# Altium PCB JS.Y1813.MCU.V1.0.PcbDoc (part 1 of 2) (continued)
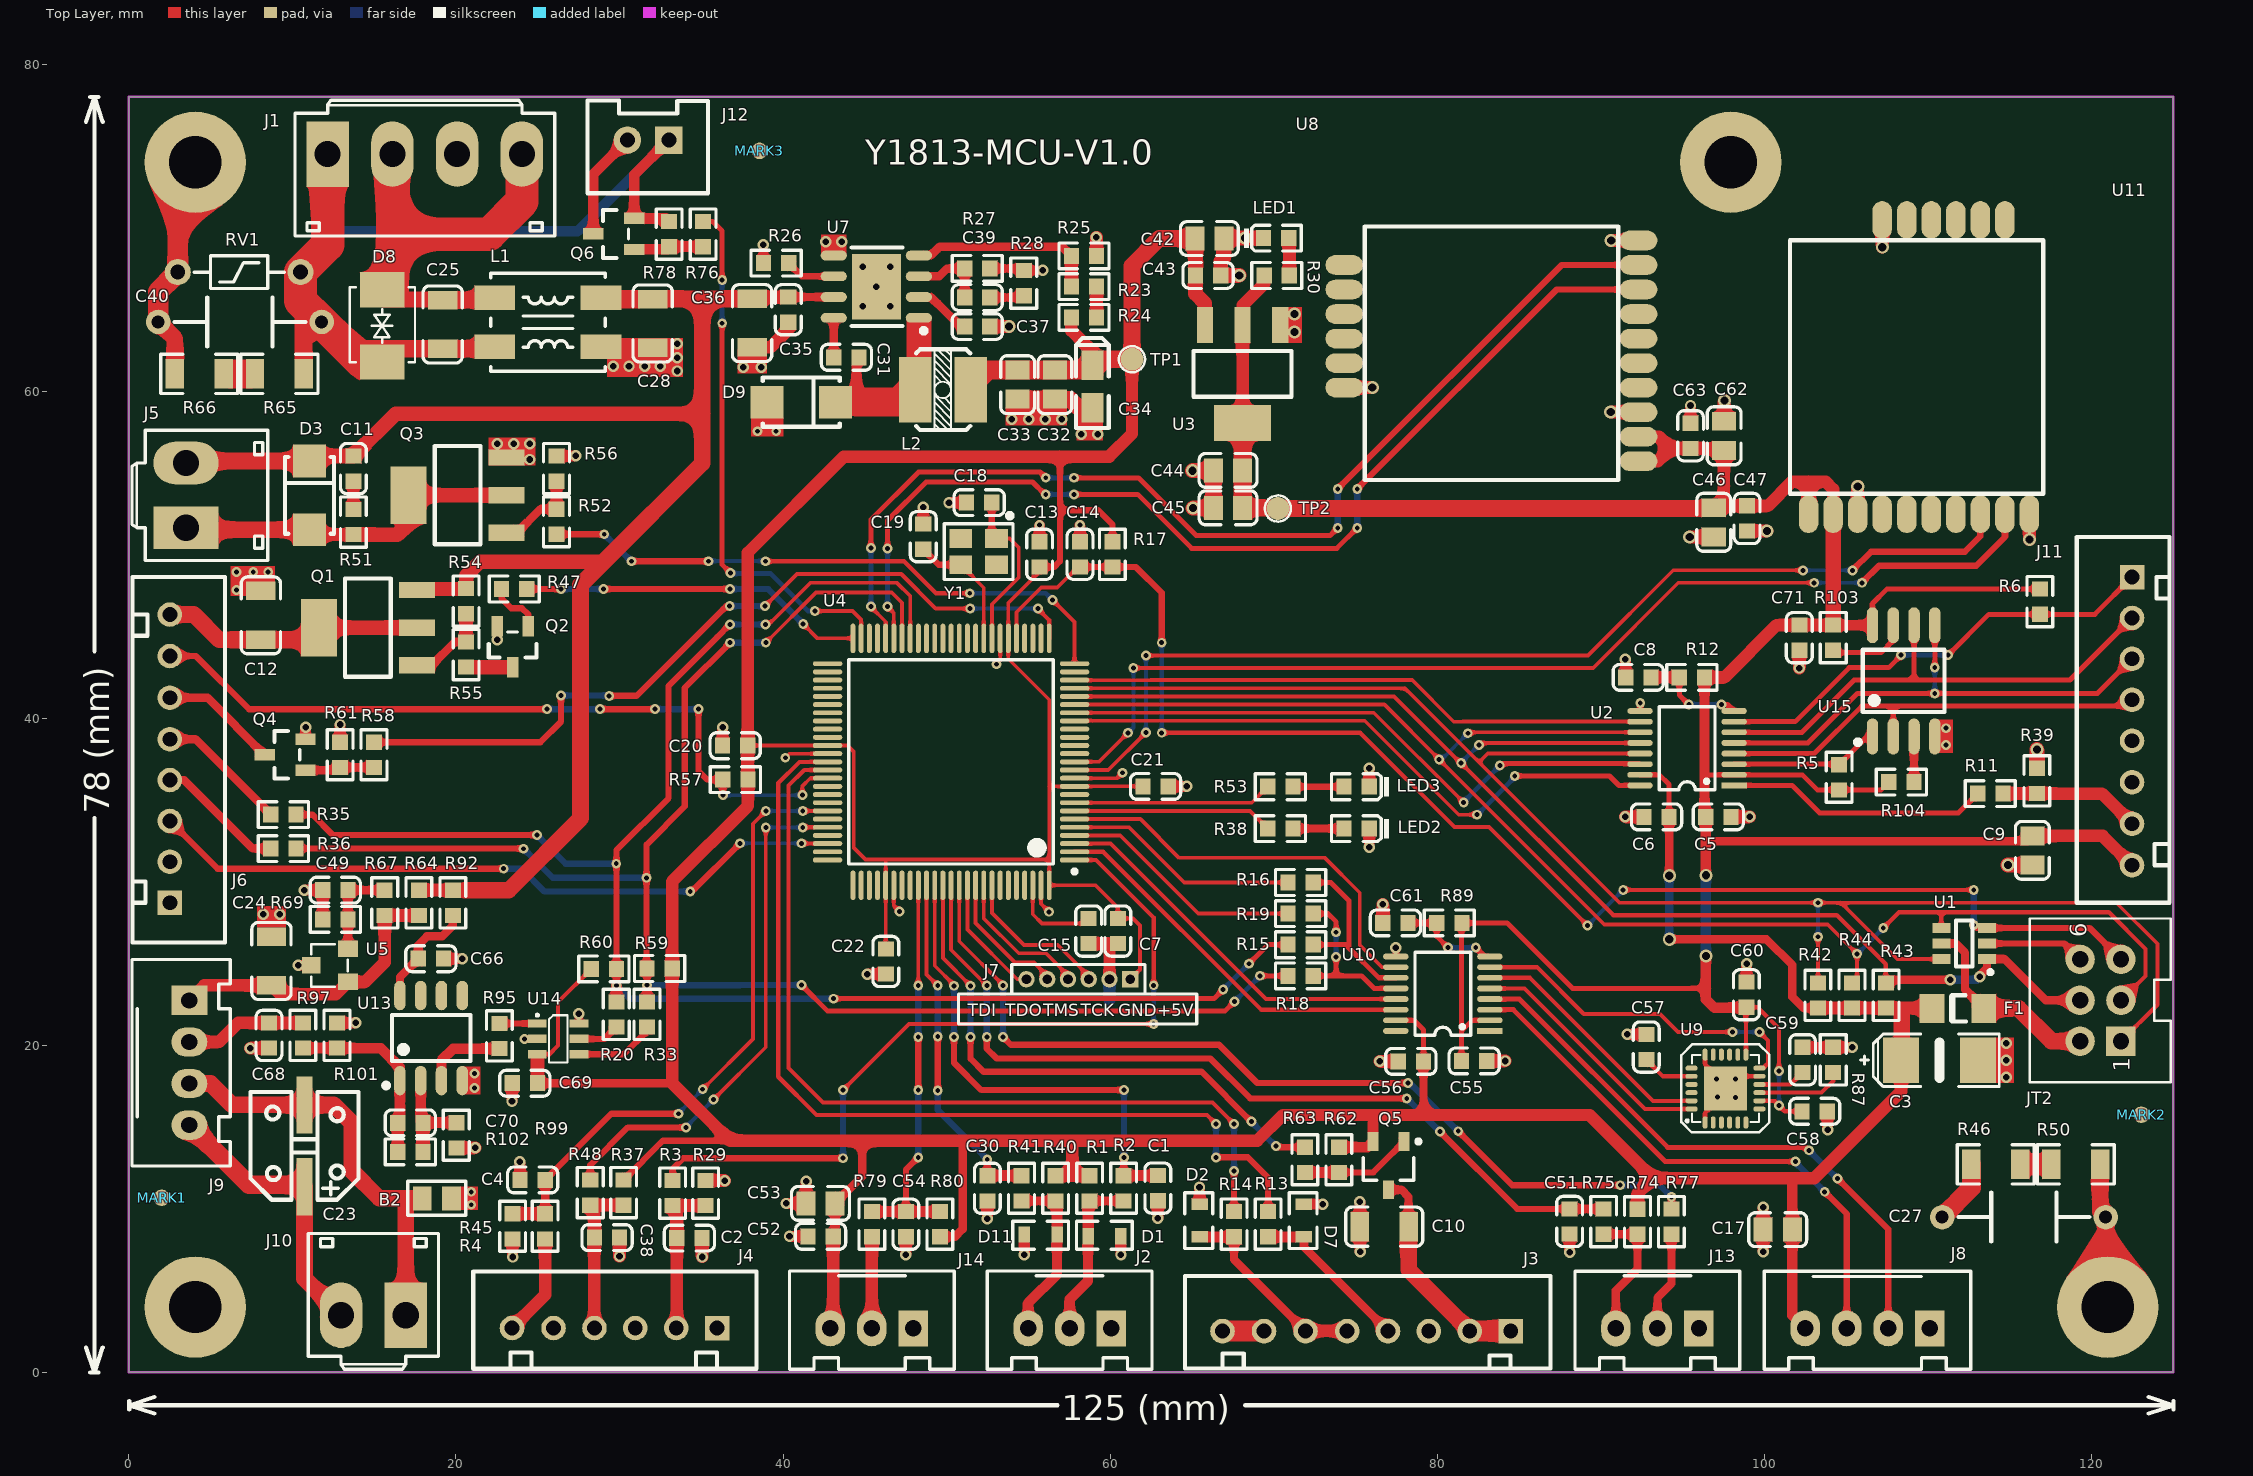
[diagram p0: Top Layer view]
## Components (designator, comment, footprint, x,y, rotation, side; value= is the part's Value field where it differs from the comment) (continued)
R74 "10KΩ (1002) ±1%" LC-0603_R 92.246,9.217 r90 top
R75 "1KΩ (1001) ±1%" LC-0603_R 90.171,9.226 r90 top
R76 "3.3KΩ (3301) ±1%" LC-0603_R 35.108,69.609 r90 top
R77 "3.3KΩ (3301) ±1%" LC-0603_R 94.321,9.226 r90 top
R78 "47KΩ (4702) ±1%" LC-0603_R 33.033,69.609 r270 top
R79 "33Ω (33R0) ±1%" LC-0603_R 45.434,9.069 r90 top
R80 "4.7KΩ (4701) ±1%" LC-0603_R 49.592,9.069 r270 top
R87 "33Ω (33R0) ±1%" LC-0603_R 104.212,19.118 r270 top
R89 "4.7KΩ (4701) ±1%" LC-0603_R 80.736,27.489 r0 top
R92 "10Ω (10R0) ±1%" LC-0603_R 19.811,28.719 r270 top
R95 "10KΩ (1002) ±1%" LC-0603_R 22.657,20.575 r90 top
R97 "4.7KΩ (4701) ±1%" LC-0603_R 10.641,20.607 r90 top
R99 "15KΩ (1502) ±1%" LC-0603_R 20.019,14.505 r90 top
R101 "100KΩ (1003) ±1%" LC-0603_R 12.724,20.607 r270 top
R102 "33KΩ (3302) ±1%" LC-0603_R 17.208,13.489 r180 top
R103 "4.7KΩ (4701) ±1%" LC-0603_R 104.213,44.929 r270 top
R104 "4.7KΩ (4701) ±1%" LC-0603_R 108.38,36.095 r180 top
RV1 "10D180K" RCRV-10DXXXK 6.738,67.285 r0 top
TP1 "Test Point" RCTOOL-TPB 61.335,61.954 r180 top
TP2 "Test Point" RCTOOL-TPB 70.256,52.829 r180 top
U1 "SRV05-4-P-T7" LC-SOT-23-6 112.22,26.228 r0 top
U2 "TXB0106PWR" RCIC-TSSOP16 98.152,35.895 r180 top
U3 "AMS1117-3.3" LC-SOT-223 68.097,61.058 r90 top
U4 "ATmega2560-16AU" 100A_N 50.273,37.338 r180 top
U5 "TL431IDBZR" RC-SOT-23 13.392,23.881 r90 top
U7 "MP2560" LC-SOIC-8_EP_150mil 45.701,66.392 r90 top
U8 "DL-LN33" RCM-DL-LN33 83.313,62.645 r0 top
U9 "MPU6000" RCIC-QFN24 96.375,15.336 r90 top
U10 "TXB0106PWR" RCIC-TSSOP16 83.218,20.882 r180 top
U11 "DL-LN33" RCM-DL-LN33 109.635,61.477 r270 top
U13 "LM358" LC-SOIC-8_150mil 18.478,20.448 r0 top
U14 "MCP4725A0T" RCIC-SOT-23-6 26.248,20.398 r180 top
U15 "W25Q128FVSIG" LC-SOIC-8_208mil 108.519,42.291 r0 top
Y1 "16MHZ 9PF 10PPM" LC-SMD-3225_4P 51.962,50.19 r180 top

## Footprints (in the part's own frame and the unit in brackets; to place one, negate y for a bottom-side part, rotate by r counter-clockwise, add the part's x,y. Pads: shape width x height; smd on the part's side, far side on the other; paste and mask are expansions set on the pad)
100A_N [mm] "Thin QFP, 100-Leads, Body 14x14mm, Pitch 0.5mm, IPC Medium Density"
  oval 1.8x0.3 smd: 1(-7.55,6) 2(-7.55,5.5) 3(-7.55,5) 4(-7.55,4.5) 5(-7.55,4) 6(-7.55,3.5) 7(-7.55,3) 8(-7.55,2.5) 9(-7.55,2) 10(-7.55,1.5) 11(-7.55,1) 12(-7.55,0.5) 13(-7.55,0) 14(-7.55,-0.5) 15(-7.55,-1) 16(-7.55,-1.5) 17(-7.55,-2) 18(-7.55,-2.5) 19(-7.55,-3) 20(-7.55,-3.5) 21(-7.55,-4) 22(-7.55,-4.5) 23(-7.55,-5) 24(-7.55,-5.5) 25(-7.55,-6) 51(7.55,-6) 52(7.55,-5.5) 53(7.55,-5) 54(7.55,-4.5) 55(7.55,-4) 56(7.55,-3.5) 57(7.55,-3) 58(7.55,-2.5) 59(7.55,-2) 60(7.55,-1.5) 61(7.55,-1) 62(7.55,-0.5) 63(7.55,0) 64(7.55,0.5) 65(7.55,1) 66(7.55,1.5) 67(7.55,2) 68(7.55,2.5) 69(7.55,3) 70(7.55,3.5) 71(7.55,4) 72(7.55,4.5) 73(7.55,5) 74(7.55,5.5) 75(7.55,6)
  oval 0.3x1.8 smd: 26(-6,-7.55) 27(-5.5,-7.55) 28(-5,-7.55) 29(-4.5,-7.55) 30(-4,-7.55) 31(-3.5,-7.55) 32(-3,-7.55) 33(-2.5,-7.55) 34(-2,-7.55) 35(-1.5,-7.55) 36(-1,-7.55) 37(-0.5,-7.55) 38(0,-7.55) 39(0.5,-7.55) 40(1,-7.55) 41(1.5,-7.55) 42(2,-7.55) 43(2.5,-7.55) 44(3,-7.55) 45(3.5,-7.55) 46(4,-7.55) 47(4.5,-7.55) 48(5,-7.55) 49(5.5,-7.55) 50(6,-7.55) 76(6,7.55) 77(5.5,7.55) 78(5,7.55) 79(4.5,7.55) 80(4,7.55) 81(3.5,7.55) 82(3,7.55) 83(2.5,7.55) 84(2,7.55) 85(1.5,7.55) 86(1,7.55) 87(0.5,7.55) 88(0,7.55) 89(-0.5,7.55) 90(-1,7.55) 91(-1.5,7.55) 92(-2,7.55) 93(-2.5,7.55) 94(-3,7.55) 95(-3.5,7.55) 96(-4,7.55) 97(-4.5,7.55) 98(-5,7.55) 99(-5.5,7.55) 100(-6,7.55)
  silkscreen extent -7.68,-6.25 6.25,6.82, body extent -7,-7 7,7, height 1.2
ACM7060 [mm]
  rect 2.5x1.5 smd: 1(-3.25,1.5) 2(-3.25,-1.5) 3(3.25,-1.5) 4(3.25,1.5)
  silkscreen extent -3.5,-3 3.5,3, body extent -3.5,-3 3.5,3, height 3.5
LC-0603_C [mm]
  rect 0.93x0.98 smd: 1(-0.77,0) 2(0.77,0)
  silkscreen extent -1.53,-0.79 1.54,0.79, body extent -0.8,-0.4 0.8,0.4, height 0.3
LC-0603_LED_S1 [mm]
  rect 0.93x0.98 smd: A(0.77,0) K(-0.77,0)
  silkscreen extent -1.97,-0.79 1.54,0.79, body extent -0.8,-0.4 0.8,0.4, height 0.6
LC-0603_R [mm]
  rect 0.93x0.98 smd: 1(-0.77,0) 2(0.77,0)
  silkscreen extent -1.53,-0.79 1.54,0.79, body extent -0.85,-0.4 0.85,0.4, height 0.56
LC-0805_C [mm]
  rect 1.16x1.47 smd: 1(-0.89,0) 2(0.89,0)
  silkscreen extent -1.77,-1.04 1.77,1.04, body extent -1,-0.62 1,0.63, height 0.77
LC-0805_L [mm]
  rect 1.16x1.47 smd: 1(-0.89,0) 2(0.89,0)
  silkscreen extent -1.77,-1.04 1.77,1.03, body extent -1.02,-0.64 1.03,0.64, height 0.6
LC-1206_C [mm]
  rect 1.13x1.8 smd: 1(-1.49,0) 2(1.49,0)
  silkscreen extent -2.36,-1.2 2.35,1.2, body extent -1.6,-0.81 1.6,0.79, height 1
LC-1206_R [mm]
  rect 1.13x1.8 smd: 1(-1.49,0) 2(1.49,0)
  silkscreen extent -2.36,-1.2 2.35,1.2, body extent -1.7,-0.86 1.65,0.87, height 0.85
LC-CASE-A_3216 [mm]
  rect 1.8x1.35 smd: 1(1.31,0) 2(-1.31,0)
  silkscreen extent -2.54,-1 2.97,1, body extent -1.7,-0.84 1.7,0.84, height 1.71
LC-SMA(DO-214AC)_S1 [mm]
  rect 2x2 smd: 1(2.1,0) 2(-2.1,0)
  silkscreen extent -2.35,-1.5 2.35,1.5
LC-SMD-3225_4P [mm]
  rect 1.4x1.15 smd: 1(-1.1,-0.8) 2(1.1,-0.8) 3(1.1,0.8) 4(-1.1,0.8)
  silkscreen extent -2.1,-2.35 2.1,1.7, body extent -1.6,-1.25 1.6,1.25, height 0.61
LC-SOIC-8_150mil [mm]
  oval 0.7x1.8 smd: 1(-1.905,-2.6) 2(-0.635,-2.6) 3(0.635,-2.6) 4(1.905,-2.6) 5(1.905,2.6) 6(0.635,2.6) 7(-0.635,2.6) 8(-1.905,2.6)
  silkscreen extent -2.9,-3.05 2.4,1.4
LC-SOIC-8_208mil [mm]
  oval 0.7x2.2 smd: 1(-1.905,-3.4) 2(-0.635,-3.4) 3(0.635,-3.4) 4(1.905,-3.4) 5(1.905,3.4) 6(0.635,3.4) 7(-0.635,3.4) 8(-1.905,3.4)
  silkscreen extent -2.95,-3.9 2.5,1.9
LC-SOIC-8_EP_150mil [mm]
  rect 4x3 smd: 0(0,0)
  oval 0.6x1.6 smd: 1(-1.905,-2.6) 2(-0.635,-2.6) 3(0.635,-2.6) 4(1.905,-2.6) 5(1.905,2.6) 6(0.635,2.6) 7(-0.635,2.6) 8(-1.905,2.6)
  silkscreen extent -2.85,-3.05 2.4,1.5
LC-SOT-23(SOT-23-3) [mm]
  rect 1.25x0.7 smd: 1(1.25,-0.95) 2(1.25,0.95) 3(-1.25,0)
  silkscreen extent -0.65,-1.46 0.9,1.46, body extent -1.5,-1.5 1.5,1.5, height 1.3
LC-SOT-23-3L [mm] "http://www.aosmd.com/res/packaging_information/SOT-23-3L.pdf"
  rect 1.15x0.65 smd: 1(1.475,-0.95) 2(1.475,0.95) 3(-1.475,0)
  silkscreen extent -0.9,-1.95 1.6,1.55, body extent -0.9,-1.55 0.9,1.55, height 1.25
LC-SOT-23-6 [mm] "Thin QFP, 100-Leads, Body 14x14mm, Pitch 0.5mm, IPC Medium Density"
  rect 1.1x0.6 smd: 1(1.4,-0.95) 2(1.4,0) 3(1.4,0.95) 4(-1.4,0.95) 5(-1.4,0) 6(-1.4,-0.95)
  silkscreen extent -0.5,-1.87 1.73,1.4
LC-SOT-223 [mm]
  rect 2.2x1 smd: 1(3,-2.3) 2(3,0) 3(3,2.3)
  rect 2.2x3.5 smd: 2(-3,0)
  silkscreen extent -1.4,-3 1.4,3, body extent -3.49,-3.24 3.49,3.24, height 1.64
MHDR1X6 [mm] "Connector; Header; 6 Position"
  rect 1x1 hole 0.6: 1(0,0)
  round 1 hole 0.6: 2(1.27,0) 3(2.54,0) 4(3.81,0) 5(5.08,0) 6(6.35,0)
  silkscreen extent -0.9,-0.9 7.25,0.9
RC-SOT-23 [mil]
  rect 40x48 smd: 1(0,0) 2(80,0)
  rect 40x45 smd: 3(40,88)
  silkscreen extent -11,0 91,88, body extent -8,24 88,66, height 43
RCC-AL-EC-6.3*7.7-TH [mm] "贴片铝电解电容 D6.3mm*H7.7mm"
  rect 1x3.5 smd: 1(0,2.502) 2(0,-2.502)
  silkscreen extent -3.3,-3.3 3.3,3.3
RCC-DE1B3-ANGUI [mm] "安规电容 Murata"
  round 1.5 hole 0.8: 1(-5,0) 2(5,0)
  silkscreen extent -4,-1.5 4,1.5, body extent -4,-1.52 4,1.55, height 8
RCCT-6032C [mm]
  rect 2.2x2.8 smd: 1(0,0) 2(4.7,0)
  silkscreen extent -2.49,-1.6 6,1.6
RCD-DO-214AAC-D [mm] "兼容于SMBJ"
  rect 2.159x2.743 smd: 1(-2.21,0) 2(2.21,0)
  silkscreen extent -2.22,-2 2.38,2
RCD-SOD323-N [mm]
  rect 0.7x1 smd: 1(0,0) 2(2,0)
  silkscreen extent -0.7,-0.8 2.7,0.9, body extent 0.1,-0.7 1.9,0.7, height 1.1
RCF1206TH [mil]
  rect 60x70 smd: 1(-124.02,0) 2(0,0)
  silkscreen extent -76,-31 -43,31, body extent -124,-21 0,21, height 43
RCIC-QFN24 [mm] "QFN, 24-Leads, Body 4.1x4.1mm (max), Pitch 0.50mm, IPC Medium Density"
  oval 0.75x0.3 smd: 1(-0.05,0) 2(-0.05,-0.5) 3(-0.05,-1) 4(-0.05,-1.5) 5(-0.05,-2) 6(-0.05,-2.5) 13(4.1,-2.5) 14(4.1,-2) 15(4.1,-1.5) 16(4.1,-1) 17(4.1,-0.5) 18(4.1,0)
  oval 0.3x0.75 smd: 7(0.775,-3.325) 8(1.275,-3.325) 9(1.775,-3.325) 10(2.275,-3.325) 11(2.775,-3.325) 12(3.275,-3.325) 19(3.275,0.825) 20(2.775,0.825) 21(2.275,0.825) 22(1.775,0.825) 23(1.275,0.825) 24(0.775,0.825)
  rect 2.7x2.6 smd: 25(2.025,-1.25)
  silkscreen extent -0.66,-3.92 4.72,1.45, body extent -0.02,-3.3 4.08,0.8, height 0.95
RCIC-SOT-23-6 [mil]
  rect 45x20 smd: 1(50,-37) 2(50,0) 3(50,37) 4(-50,37) 5(-50,0) 6(-50,-37)
  silkscreen extent -22,-60 53,57, body extent -54,-57 56,57, height 57
RCIC-TSSOP16 [mm]
  rect 1.551x0.356 smd: 1(0,0)
  oval 1.551x0.356 smd: 2(0,-0.65) 3(0,-1.3) 4(0,-1.95) 5(0,-2.6) 6(0,-3.25) 7(0,-3.9) 8(0,-4.55) 9(5.75,-4.55) 10(5.75,-3.9) 11(5.75,-3.25) 12(5.75,-2.6) 13(5.75,-1.95) 14(5.75,-1.3) 15(5.75,-0.65) 16(5.75,0)
  silkscreen extent 1.17,-4.82 4.58,0.27
RCJ2.5-2X3CA [mm]
  rect 1.8x1.8 hole 1: 1(-2.5,-1.25)
  round 1.8 hole 1: 2(-2.5,1.25) 3(0,-1.25) 4(0,1.25) 5(2.5,-1.25) 6(2.5,1.25)
  silkscreen extent -5,-4.28 5,4.32, body extent -5,-4.28 5,4.32, height 8
RCJ2.5-3CA [mm]
  rect 1.8x2.2 hole 1: 1(0,0)
  oval 1.8x2.2 hole 1: 2(-2.54,0) 3(-5.08,0)
  silkscreen extent -7.58,-2.5 2.5,3.5
RCJ2.5-4CA [mm]
  rect 1.8x2.2 hole 1: 1(0,0)
  oval 1.8x2.2 hole 1: 2(-2.54,0) 3(-5.08,0) 4(-7.62,0)
  silkscreen extent -10.12,-2.5 2.5,3.5
RCJ3.96-2CA [mm]
  rect 2.6x4 hole 1.6: 1(0,0)
  oval 2.6x4 hole 1.6: 2(-3.96,0)
  silkscreen extent -5.96,-3.3 2,5
RCJ3.96-4CA [mm]
  rect 2.6x4 hole 1.6: 1(0,0)
  oval 2.6x4 hole 1.6: 2(-3.96,0) 3(-7.92,0) 4(-11.88,0)
  silkscreen extent -13.88,-3.3 2,5
RCJ-XH2.54-2P [mil]
  rect 66x66 hole 36: 1(50,0)
  round 66 hole 36: 2(-50,0)
  silkscreen extent -146,-128 144,95, body extent -149,-136 147,92, height 118
RCJ-XH2.54-6P [mm]
  rect 1.5x1.5 hole 0.9: 1(-6.27,0)
  round 1.5 hole 0.9: 2(-3.77,0) 3(-1.27,0) 4(1.23,0) 5(3.73,0) 6(6.27,0)
  silkscreen extent -8.69,-3.45 8.64,2.49, body extent -8.78,-3.4 8.72,2.4, height 3
RCJ-XH2.54-8P [mm]
  rect 1.5x1.5 hole 0.9: 1(-8.81,0)
  round 1.5 hole 0.9: 2(-6.31,0) 3(-3.81,0) 4(-1.31,0) 5(1.19,0) 6(3.73,0) 7(6.27,0) 8(8.81,0)
  silkscreen extent -11.25,-3.38 11.1,2.29, body extent -11.3,-3.45 11.2,2.35, height 3
RCL-040402-2TH [mm]
  rect 2x4 smd: 1(0,0) 2(-3.4,0)
  silkscreen extent -3.37,-2.48 -0.06,2.52
RCM-DL-LN33 [mm] "适用于 DL-LN33 Zigbee模块，可考虑用于DL-LN32"
  oval 1.05x2.2 on Mech10: 0(-0.305,6.316)
  oval 2.3x1.2 smd: 1(-9,5.074) 2(-9,3.574) 3(-9,2.074) 4(-9,0.574) 5(-9,-0.926) 6(-9,-2.426) 7(9,-6.926) 8(9,-5.426) 9(9,-3.926) 10(9,-2.426) 11(9,-0.926) 12(9,0.574) 13(9,2.074) 14(9,3.574) 15(9,5.074) 16(9,6.574)
  rrect50% 1.05x2.2 on Mech10: 1(-1.805,6.926) 2(1.195,6.926)
  silkscreen extent -7.75,-8.08 7.75,7.42
RCRV-10DXXXK [mm] "Metal Oxide Varistors 10D Series(RUILON(瑞隆源)"
  round 1.6 hole 0.9: 1(-3.75,0) 2(3.75,0)
  silkscreen extent -2.76,-1 2.78,1
RCTOOL-TPB [mm]
  round 1.4 smd: 1(0,0)
  silkscreen extent -0.8,-0.8 0.8,0.8
RCTOOL_MARK [mm]
  round 1 smd mask+0.5: ""(0,0)

## Part data
B2: library part Bead, "Bead,1400mA"
C1 C2 C4 C11 C30 C38 C39 C49 C51 C54 C68 C70: library part "0603 150pF (151) 10% 50V", "贴片电容"
C3 C23: library part Cap_polar, "有极性电容"
C5 C6 C7 C8 C13 C14 C15 C20 C21 C22 C31 C35 C37 C43 C47 C52 C55 C56 C58 C59 C60 C61 C63 C66 C69 C71: library part "0603 100nF (104) 10% 50V", "贴片电容"
C9 C17 C32 C33 C42 C44 C45 C46 C53 C62: library part "0805 22uF (226) 20% 25V", "贴片电容"
C10 C12 C24 C25 C28 C36: library part "1206 10uF (106) 10% 50V", "贴片电容"
C18 C19: library part "0603 15pF (150) 5% 50V", "贴片电容"
C27 C40: library part Cap_Nonpolar, "无极性电容"
C34: library part "3216 10uF (106) 10% 16V", "钽电容"
C57: library part "0603 2.2nF (222) 10% 50V", "贴片电容"
D1 D2 D7 D11: library part "TVS Diode", "TVS"
D3: library part "SMA(DO-214AC) US1M", "二极管"
D8: library part "Bidrectional Diode", "Bidrectional Diode"
D9: library part "SMA(DO-214AC) SS310", "二极管"
F1: library part FUSE, "fuse"
J1: library part "Header 4", "Header, 4-Pin"
J2 J13 J14: library part JCJ-1-3, "3 Pin 接插件"
J3 J6 J11: library part "Header 8", "Header, 8-Pin"
J4: library part "Header 6", "Header, 6-Pin"
J5 J10 J12: library part "Header 2", "Header, 2-Pin"
J7: library part MHDR1X6, "Header, 6-Pin"
J8 J9: library part SWD_PORT
JT2: "MCU Debug Port 6 Pin for Atmega MCU"
L1: "共模滤波器，电源线用，最大电流可达5A"
L2: library part Inductor_Single_Lead_Iron, "Inductor"
LED1 LED2 LED3: library part LEDA
Q1: library part PMOS—SOT223, "PMOS"
Q2 Q4 Q6: library part "SOT-23 SS8050 Y1", "三极管"
Q3: library part NMOS
Q5: library part PMOS—SOT23, "PMOS"
R1 R17 R24 R37 R39 R40 R74 R95: library part "0603 10KΩ (1002) 1%", "贴片电阻"
R2 R30 R38 R41 R53 R75: library part "0603 1KΩ (1001) 1%", "贴片电阻"
R3 R4 R11 R13 R14 R15 R16 R18 R19 R20 R33 R35 R36 R48 R79 R87: library part "0603 33Ω (33R0) 1%", "贴片电阻"
R5 R6 R12 R42 R43 R44 R57 R59 R60 R80 R89 R97 R103 R104: library part "0603 4.7KΩ (4701) 1%", "贴片电阻"
R23 R26 R29 R45 R51: library part "0603 200KΩ (2003) 1%", "贴片电阻"
R25: library part "0603 40.2KΩ (4022) 1%", "贴片电阻"
R27 R28 R56 R62 R69 R101: library part "0603 100KΩ (1003) 1%", "贴片电阻"
R46 R50 R65 R66: library part "1206 1.2MΩ (1204) 1%", "贴片电阻"
R47 R58 R76 R77: library part "0603 3.3KΩ (3301) 1%", "贴片电阻"
R52 R63 R92: library part "0603 10Ω (10R0) 1%", "贴片电阻"
R54 R61 R78: library part "0603 47KΩ (4702) 1%", "贴片电阻"
R55 R102: library part "0603 33KΩ (3302) 1%", "贴片电阻"
R64: library part "0603 100Ω (1000) 1%", "贴片电阻"
R67: library part "0603 300KΩ (3003) 1%", "贴片电阻"
R99: library part "0603 15KΩ (1502) 1%", "贴片电阻"
RV1: library part RV, "压敏电阻 浪涌抑制"
TP1 TP2: library part "TP Point"
U1: "TVS"
U2 U10: library part TXB0106, "Octal D type transparent latch"
U3: library part "SOT-223 AMS1117-3.3", "低压差线性稳压(LDO)"
U4: "8-bit AVR Microcontroller, 4.5-5.5V, 16MHz, 256KB Flash, 4KB EEPROM, 8KB SRAM, 86 GPIO pins, 100-pin TQFP, Industrial Grade (-40°C to 85°C), Pb-Free"
U5: library part TL431, "Voltage Precise"
U7: "DC~DC Step Down"
U8 U11: library part DL-LN3X, "Zigbee 2.4G Multi-hop AdHos WSN Modules"
U9: library part MPU60X0
U13: "Common AMPLIFIER"
U14: library part MCP4725, "DC-DC电源模块"
U15: "Flash ROM"
Y1: library part "SMD-3225_4P  16MHZ 9PF 10PPM", "贴片晶振"

## Free pads (board coordinates)
  round 6.2 hole 3.2: 0(4.057,4.002) 0(4.057,74.002) 0(97.949,74) 0(121,4)
  round 12 on Bottom Solder: 1(4.057,4.002) 1(4.057,74.002) 1(97.949,74) 1(121,4)
  round 12 on Top Solder: 1(4.057,4.002) 1(4.057,74.002) 1(97.949,74) 1(121,4)

## Via types
v1: diameter 0.6, hole 0.3, Top Layer to Bottom Layer, 169 vias
v2: diameter 0.7, hole 0.4, Top Layer to Bottom Layer, 88 vias
v3: diameter 0.8, hole 0.5, Top Layer to Bottom Layer, 22 vias

## Nets (pads, with @x,y where several pads share a name; then routed paths per layer and width w, separated by ;. In a path a pad name is that pad's centre, name@x,y a point inside that pad or via, vN(x,y) a via of type N, cw(c..) or ccw(c..) an arc to the next point about the centre after c; other vN are vias at no path point)
+24V_GND: B2.1 C23.2 J9.3 J10.1 | length 26
  Top Layer w1.016: J9.3@3.694,17.669 4.991,17.669 6.3,16.36 C23.2@10.735,16.36 12.535,16.36 13.621,15.275 13.621,12.341 15.31,10.652 16.948,10.652 ; J10.1@16.932,3.5 16.932,10.636 16.948,10.652 ; B2.1@17.938,10.652 16.948,10.652
BAT_+5V: F1.2 JT2.2 U1.5 | length 12.3
  Top Layer w0.508: U1.5@110.82,26.228 111.712,26.228 112.271,25.669 112.271,23.409 F1.2@113.415,22.266
  Top Layer w1.016: F1.2@113.415,22.266 115.548,22.266 117.554,20.259 JT2.2@119.307,20.259
FAN_SPC: R58.2 U4.26 | length 48.8
  Top Layer w0.254: v1(38.894,46.86) 40.85,48.815 47.225,48.815 49.333,46.707 v1(51.442,46.707) ; v1(55.582,46.707) 56.273,46.016 U4.26@56.273,44.888
  Top Layer w0.381: R58.2@14.986,38.541 25.165,38.541 26.423,39.798 v1(26.423,41.399) ; v1(29.369,41.373) 31.042,41.373 36.528,46.86 v1(36.735,46.86)
  Bottom Layer w0.254: v1(51.442,46.707) v1(55.582,46.707)
  Bottom Layer w0.381: v1(26.423,41.399) 29.344,41.399 v1(29.369,41.373) ; v1(36.735,46.86) v1(38.894,46.86)
FAN_SPM: J6.7 R57.1 U4.65 | length 47.3
  Top Layer w0.229: v1(41.18,35.303) 41.18,35.861 41.657,36.338 U4.65@42.723,36.338
  Top Layer w0.381: J6.7@2.507,43.806 4.102,43.806 7.347,40.56 v1(25.559,40.56) ; v1(28.81,40.56) v1(32.163,40.56) ; v1(34.83,40.56) 34.83,36.776 35.355,36.25 R57.1@36.311,36.25 36.311,35.32 v1(36.329,35.303)
  Bottom Layer w0.229: v1(36.329,35.303) v1(41.18,35.303)
  Bottom Layer w0.381: v1(25.559,40.56) v1(28.81,40.56) ; v1(32.163,40.56) v1(34.83,40.56)
FLASH_SS: U2.14 U4.19 | length 37.9
  Top Layer w0.229: U4.19@57.823,40.338 76.124,40.338 v1(81.617,34.845)
  Top Layer w0.305: v1(83.827,37.106) 83.952,37.232 92.365,37.232 U2.14@92.402,37.195
  Bottom Layer w0.305: v1(81.617,34.845) 81.718,34.947 81.718,34.998 v1(83.827,37.106)
FLASH_SS_OUT: R5.1 U2.3 U15.1 | length 9.2
  Top Layer w0.305: U2.3@98.152,37.195 104.539,37.195 R5.1@104.569,37.165 106.295,38.891 U15.1@106.614,38.891
FW_DETECT: C1.2 R2.2 U4.86 | length 29.7
  Top Layer w0.229: U4.86@49.273,29.788 49.273,24.874 50.451,23.696 v1(50.451,23.644)
  Top Layer w0.381: v1(50.451,20.52) 50.451,18.945 52.127,17.269 v1(60.84,17.269) ; R2.2@60.827,12.034 60.827,13.141 v1(60.84,13.154)
  Top Layer w0.635: R2.2@60.827,12.034 62.904,12.034 C1.2@62.914,12.044
  Bottom Layer w0.381: v1(50.451,20.52) v1(50.451,23.644) ; v1(60.84,13.154) v1(60.84,17.269)
FW_INDETECT: C30.2 R41.2 U4.85 | length 21.4
  Top Layer w0.229: U4.85@48.773,29.788 48.773,24.331 49.435,23.669 v1(49.46,23.669)
  Top Layer w0.381: v1(49.46,17.243) v1(49.46,20.545) ; v1(52.483,13.027) 52.483,12.042 C30.2@52.491,12.034
  Top Layer w0.635: C30.2@52.491,12.034 R41.2@54.578,12.034
  Bottom Layer w0.381: v1(49.46,17.243) 49.46,16.049 v1(52.483,13.027) ; v1(49.46,20.545) v1(49.46,23.669)
GND: B2.2 C1.1 C2.1 C3.2 C4.1 C5.2 C6.2 C7.1 C8.1 C9.1 C10.2 C12.2 C13.1 C14.1 C15.1 C17.2 C18.1 C19.1 C20.1 C21.1 C22.1 C24.2 C27.1 C28.2 C30.1 C32.1 C33.1 C34.2 C35.1 C36.1 C37.2 C38.1 C42.1 C43.1 C44.1 C45.1 C46.1 C47.1 C49.1 C51.2 C52.1 C53.2 C54.1 C55.2 C56.2 C57.1 C58.1 C59.2 C60.1 C61.1 C62.1 C63.1 C66.1 C68.2 C69.1 C71.1 D1.2 D2.2 D7.2 D9.1 D11.2 J2.1 J3.7 J3.8 J4.3 J6.1 J7.2 J8.1 J11.6 J13.1 J14.1 JT2.6 L1.3 LED1.K LED2.K LED3.K Q2.2 Q3.3 Q4.2 R25.1 R26.1 R27.1 R28.1 R29.1 R39.1 R45.1 R46.1 R56.1 R61.1 R69.2 R87.1 R99.1 R101.1 U1.2 U2.9 U3.1 U4.11 U4.32 U4.62 U4.81 U4.99 U5.3 U7.0 U7.5 U8.6 U8.9 U8.16 U9.1 U9.11 U9.18 U9.25 U10.9 U11.6 U11.9 U11.16 U13.4 U14.2 U14.6 U15.4 | length 144.3
  Top Layer w0.229: v1(40.139,37.589) 40.388,37.838 U4.62@42.723,37.838 ; U4.81@46.773,29.788 46.773,28.541 v1(47.124,28.191) ; v1(53.042,43.304) 53.273,43.535 U4.32@53.273,44.888 ; U4.99@55.773,29.788 55.773,28.656 v1(56.261,28.169) ; U4.11@57.823,36.338 60.427,36.338 v1(60.763,36.674)
  Top Layer w0.254: U10.9@77.468,25.432 77.468,25.972 v2(77.477,25.981) ; U2.9@92.402,40.445 92.402,40.932 v1(92.412,40.941) ; U9.1@96.375,15.286 96.375,15.873 97.625,17.123 U9.25@97.625,17.361 ; U9.18@96.375,19.436 96.375,18.842 97.625,17.592 U9.25@97.625,17.361 ; U9.11@99.7,18.111 98.375,18.111 U9.25@97.625,17.361
  Top Layer w0.381: v1(24.187,20.393) 24.192,20.398 U14.2@24.978,20.398 ; v2(27.515,21.942) 27.518,21.939 U14.6@27.518,21.337 ; U1.2@113.62,26.228 118.338,26.228 JT2.6@119.307,25.259
  Top Layer w0.508: v2(22.511,44.802) 22.518,44.809 Q2.2@22.518,45.624 ; v2(38.792,68.958) 38.801,68.949 R26.1@38.801,67.832 ; R27.1@52.643,67.51 54.591,67.51 R28.1@54.718,67.383 55.877,67.383 v2(55.88,67.386)
  Top Layer w0.635: v2(10.344,24.914) 10.361,24.897 U5.3@11.157,24.897 ; v2(10.725,29.486) 10.734,29.495 C49.1@11.852,29.495 R69.2@11.852,27.709 ; Q4.2@10.799,38.721 10.799,39.44 v2(10.802,39.443) ; R101.1@12.724,21.377 13.869,21.377 v2(13.875,21.383) ; v2(12.91,39.621) 12.911,39.619 R61.1@12.911,38.541 ; C66.1@19.236,25.3 20.373,25.3 v2(20.377,25.295) ; v2(23.425,16.583) 23.438,16.595 C69.1@23.438,17.688 ; v2(23.46,7.061) R45.1@23.46,8.171 R45.1@23.478,8.153 ; v2(23.908,12.874) 23.917,12.865 C4.1@23.917,11.774 ; R56.1@26.147,56.04 27.298,56.04 v2(27.312,56.054) ; C20.1@36.3,38.325 36.3,39.44 v2(36.303,39.443) ; v2(40.189,10.334) 40.193,10.338 C53.2@41.399,10.338 41.399,11.697 v2(41.409,11.706) ; v2(40.393,8.328) 40.396,8.324 C52.1@41.526,8.324 ; v2(45.142,24.355) 45.149,24.362 C22.1@46.285,24.362 ; v2(47.505,7.21) 47.509,7.214 C54.1@47.509,8.299 ; C19.1@48.571,51.879 v2(48.571,52.905) ; v2(50.146,53.184) C18.1@51.222,53.184 ; v2(52.483,9.395) 52.491,9.403 C30.1@52.491,10.494 ; v2(54.744,7.21) 54.752,7.218 D11.2@54.752,8.439 ; C13.1@55.683,50.793 v1(55.683,51.813) ; v1(58.147,51.813) 58.158,51.802 C14.1@58.158,50.793 ; D1.2@60.649,8.339 60.649,7.223 v2(60.662,7.21) ; C1.1@62.914,10.504 62.914,9.428 v2(62.922,9.42) ; C21.1@63.546,35.836 v2(64.675,35.836) ; v2(65.462,11.325) 65.468,11.319 D2.2@65.468,10.287 ; D7.2@71.843,10.287 73.003,10.287 v2(73.006,10.284) ; v2(75.267,10.436) 75.268,10.435 C10.2@75.268,8.915 75.268,7.412 v2(75.292,7.388) ; LED2.K@75.842,33.258 75.842,32.137 v2(75.851,32.128) ; LED3.K@75.842,35.817 75.842,36.944 v2(75.851,36.954) ; v2(88.094,7.363) C51.2@88.094,8.464 ; v2(91.497,43.608) 91.523,43.583 C8.1@91.523,42.507 ; v2(91.624,20.672) 91.626,20.671 C57.1@92.782,20.671 ; v2(95.487,59.128) 95.488,59.126 C63.1@95.488,58.044 ; C60.1@98.903,23.874 98.903,24.979 v2(98.914,24.99) ; v2(99.93,7.388) C17.2@99.93,8.736 v2@99.93,10.105 ; C59.2@102.337,19.888 R87.1@104.212,19.888 105.363,19.888 v2(105.366,19.885) ; C58.1@103.852,15.972 103.852,14.871 v2(103.867,14.856)
  Top Layer w0.762: v2(7.423,19.834) 7.427,19.837 C68.2@8.566,19.837 ; R99.1@20.019,13.735 21.162,13.735 v2(21.165,13.738) ; v2(29.997,7.112) 30.005,7.12 C38.1@30.005,8.246 ; C2.1@35.043,8.22 35.043,7.071 v2(35.052,7.061) ; R29.1@35.265,11.743 36.416,11.743 v2(36.424,11.735) ; C36.1@38.107,62.676 39.222,62.676 40.316,63.77 C35.1@40.316,64.217 ; C37.2@52.643,63.954 53.81,63.954 v3(53.817,63.961) ; C15.1@58.682,26.222 59.944,26.222 59.96,26.206 J7.2@59.96,24.046 ; v2(59.151,69.422) 59.171,69.401 R25.1@59.171,68.276 ; U8.6@74.313,60.219 v3@76.03,60.219 ; v2(76.486,19.021) 76.49,19.025 C56.2@77.619,19.025 ; v2(76.664,28.622) 76.673,28.613 C61.1@76.673,27.489 ; C55.2@83.026,19.05 84.153,19.05 v2(84.157,19.047) ; v3(90.61,58.721) 90.612,58.719 U8.9@92.313,58.719 ; v3(90.635,69.212) 90.643,69.219 U8.16@92.313,69.219 ; v2(91.497,33.982) 91.503,33.976 C6.2@92.639,33.976 ; v3@95.428,51.105 v3(95.437,51.096) C46.1@96.908,51.096 ; C62.1@97.545,58.165 97.545,59.42 v3(97.561,59.436) ; C5.2@97.957,33.976 99.111,33.976 v2(99.117,33.982) ; C47.1@98.94,51.452 v3(100.17,51.452) ; C71.1@102.139,44.159 102.139,43.076 v2(102.14,43.075) ; U11.9@105.709,52.477 105.709,54.173 v3(105.715,54.178) ; U11.6@107.209,70.477 107.209,68.813 v3(107.213,68.809) ; v3(116.205,50.927) 116.209,50.931 U11.16@116.209,52.477
  Top Layer w0.889: v3(65.031,55.14) 65.046,55.155 C44.1@66.317,55.155 66.318,55.154 C45.1@66.318,52.869 65.071,52.869 v3(65.056,52.854) ; v3(67.893,67.078) C43.1@66.758,67.078 66.758,67.95 66.956,68.147 C42.1@66.956,69.339 66.981,69.364 v3(68.249,69.364) LED1.K@69.384,69.364 ; v3(114.891,31.032) v3(114.891,31.032) C9.1@116.389,31.031 ; R39.1@116.669,36.941 v3(116.669,38.093)
  Top Layer w1.016: C33.1@54.337,59.511 C32.1@56.623,59.512 C32.1@56.623,59.512 57.554,59.512 58.086,58.98 C34.2@58.909,58.98
  Top Layer w1.143: C27.1@110.871,9.5 112.663,11.291 R46.1@112.663,12.725
  Top Layer w1.27: J3.8@66.869,2.54 J3.7@69.409,2.54
  Bottom Layer w0.762: 59.96,22.776 J7.2@59.96,24.046 59.96,25.316
  other v1: 20.936,10.258 20.936,11.046 98.228,16.811 97.136,16.837 21.139,17.396 97.085,17.954 98.228,17.954 21.139,18.285 111.106,38.376 111.106,39.395 6.585,47.85 6.585,48.942 7.601,48.942 8.516,48.942 38.437,57.553 39.58,57.553
  other v2: 99.93,10.106 114.789,18.056 114.789,19.097 114.789,20.139 8.211,28.013 9.227,28.013 24.518,55.826 22.536,56.791 23.527,56.791 24.518,56.791 58.236,57.382 59.252,57.382 53.994,58.297 55.01,58.297 56.026,58.297 57.042,58.297 33.535,61.236 37.561,61.472 38.653,61.472 29.623,61.515 30.58,61.515 31.536,61.515 32.493,61.515 33.535,62.049 33.535,62.912 44.876,65.205 46.552,65.205 45.701,66.392 44.876,67.618 46.552,67.618 42.615,69.142 43.58,69.142
  other v3: 76.03,60.22 71.272,63.624 71.272,64.716
LCD_PWR_CTRL: R63.1 U4.87 | length 34.1
  Top Layer w0.229: U4.87@49.773,29.788 49.773,25.339 v1(51.467,23.644) ; R63.1@71.845,13.84 R63.1@71.909,13.776
  Top Layer w0.381: v1(51.467,20.52) 51.467,19.174 52.254,18.386 65.589,18.386 v1(68.637,15.338) ; v1(70.136,13.84) 70.199,13.776 R63.1@71.909,13.776
  Bottom Layer w0.381: v1(51.467,20.52) v1(51.467,23.644) ; v1(68.637,15.338) v1(70.136,13.84)
LCD_RX: R13.2 U4.63 | length 57.3
  Top Layer w0.254: U4.63@42.723,37.338 41.006,37.338 39.707,36.039 39.707,18.081 42.044,15.745 65.92,15.745 v1(66.478,15.186)
  Top Layer w0.381: v1(66.478,13.154) 68.409,13.154 69.659,11.904 R13.2@69.659,9.846
  Bottom Layer w0.381: v1(66.478,13.154) v1(66.478,15.186)
LCD_TX: R14.2 U4.64 | length 54
  Top Layer w0.254: U4.64@42.723,36.838 41.293,36.838 40.342,35.887 40.342,18.615 42.45,16.507 66.25,16.507 v1(67.571,15.186)
  Top Layer w0.381: v1(67.571,12.316) 67.576,12.31 R14.2@67.576,9.846
  Bottom Layer w0.381: v1(67.571,12.316) v1(67.571,15.186)
MCP_SCL: R20.1 U14.5 | length 2.6
  Top Layer w0.381: U14.5@27.518,20.398 29.077,20.398 R20.1@29.801,21.121
MCP_SDA: R33.1 U14.4 | length 5
  Top Layer w0.381: U14.4@27.518,19.458 30.263,19.458 31.68,20.875 R33.1@31.68,21.121
MCU_IIC_SCK: R15.2 R20.2 R35.2 R60.1 U4.43 | length 104.5
  Top Layer w0.229: v1(38.919,45.742) 39.123,45.742 41.663,48.282 46.971,48.282 47.773,47.48 U4.43@47.773,44.888
  Top Layer w0.305: v1(43.085,22.857) 66.351,22.857 v1(66.91,23.415) ; v1(68.485,24.99) 69.651,26.156 R15.2@70.882,26.156
  Top Layer w0.381: R35.2@10.219,34.109 11.233,34.109 12.478,32.864 v1(24.949,32.864) ; v1(29.809,23.673) R60.1@29.809,24.677 v1@29.809,31.112 ; v1@29.809,31.14 29.809,31.932 33.001,35.125 33.001,41.983 35.965,44.947 35.965,44.954 36.753,45.742 v1(36.76,45.742)
  Top Layer w0.635: R20.2@29.801,22.661 29.809,22.669 v1(29.809,23.673)
  Bottom Layer w0.305: v1(66.91,23.415) v1(68.485,24.99)
  Bottom Layer w0.381: v1(24.949,32.864) 26.702,31.112 v1(29.801,31.112) ; v1(29.809,23.673) 30.626,22.857 v1(43.085,22.857) ; v1(36.76,45.742) v1(38.919,45.742)
MCU_IIC_SDA: R18.2 R33.2 R36.2 R59.1 U4.44 | length 101.3
  Top Layer w0.229: v1(38.945,44.624) 42.018,47.698 46.641,47.698 47.273,47.066 U4.44@47.273,44.888
  Top Layer w0.305: v1@24.129,32.034 v1(24.137,32.026) ; v1(41.129,23.695) 42.729,22.095 67.012,22.095 v1(67.596,22.679) ; v1(69.171,24.254) R18.2@70.882,24.254
  Top Layer w0.381: R36.2@10.219,32.034 v1@24.129,32.034 ; v1(31.68,23.682) R59.1@31.68,24.703 31.655,24.728 v1(31.655,30.248) 31.655,32.28 33.992,34.617 33.992,41.856 v1(36.76,44.624)
  Top Layer w0.508: R33.2@31.68,22.661 v1(31.68,23.682)
  Bottom Layer w0.305: v1(67.596,22.679) v1(69.171,24.254)
  Bottom Layer w0.381: v1(24.137,32.026) 25.915,30.248 v1(31.655,30.248) ; v1(31.68,23.682) 37.357,23.682 37.37,23.695 v1(41.129,23.695) ; v1(36.76,44.624) v1(38.945,44.624)
MCU_JTAGTCK: J7.3 U4.93 | length 9.4
  Top Layer w0.229: U4.93@52.773,29.788 52.773,28.1 54.737,26.137 56.794,26.137 58.69,24.241 J7.3@58.69,24.046
MCU_JTAGTDI: J7.6 U4.90 | length 7.6
  Top Layer w0.229: U4.90@51.273,29.788 51.273,27.086 54.313,24.046 J7.6@54.88,24.046
MCU_JTAGTDO: J7.5 U4.91 | length 8.2
  Top Layer w0.229: U4.91@51.773,29.788 51.773,27.481 54.185,25.07 55.347,25.07 56.15,24.267 J7.5@56.15,24.046
MCU_JTAGTMS: J7.4 U4.92 | length 8.9
  Top Layer w0.229: U4.92@52.273,29.788 52.273,27.762 54.407,25.629 56.083,25.629 57.42,24.292 J7.4@57.42,24.046